# Altium PCB 1010829PA_HVFlyback_GD_Testboard.PcbDoc (part 2 of 2)
Units mm, origin at the board's own origin, x right, y up, seen from the top; angles counter-clockwise.
Board outline 180 x 150 mm, 2 copper layers (Top Layer, Bottom Layer), stack 1.57 mm thick; 196 components, 91 nets, 468 pads, 191 vias.
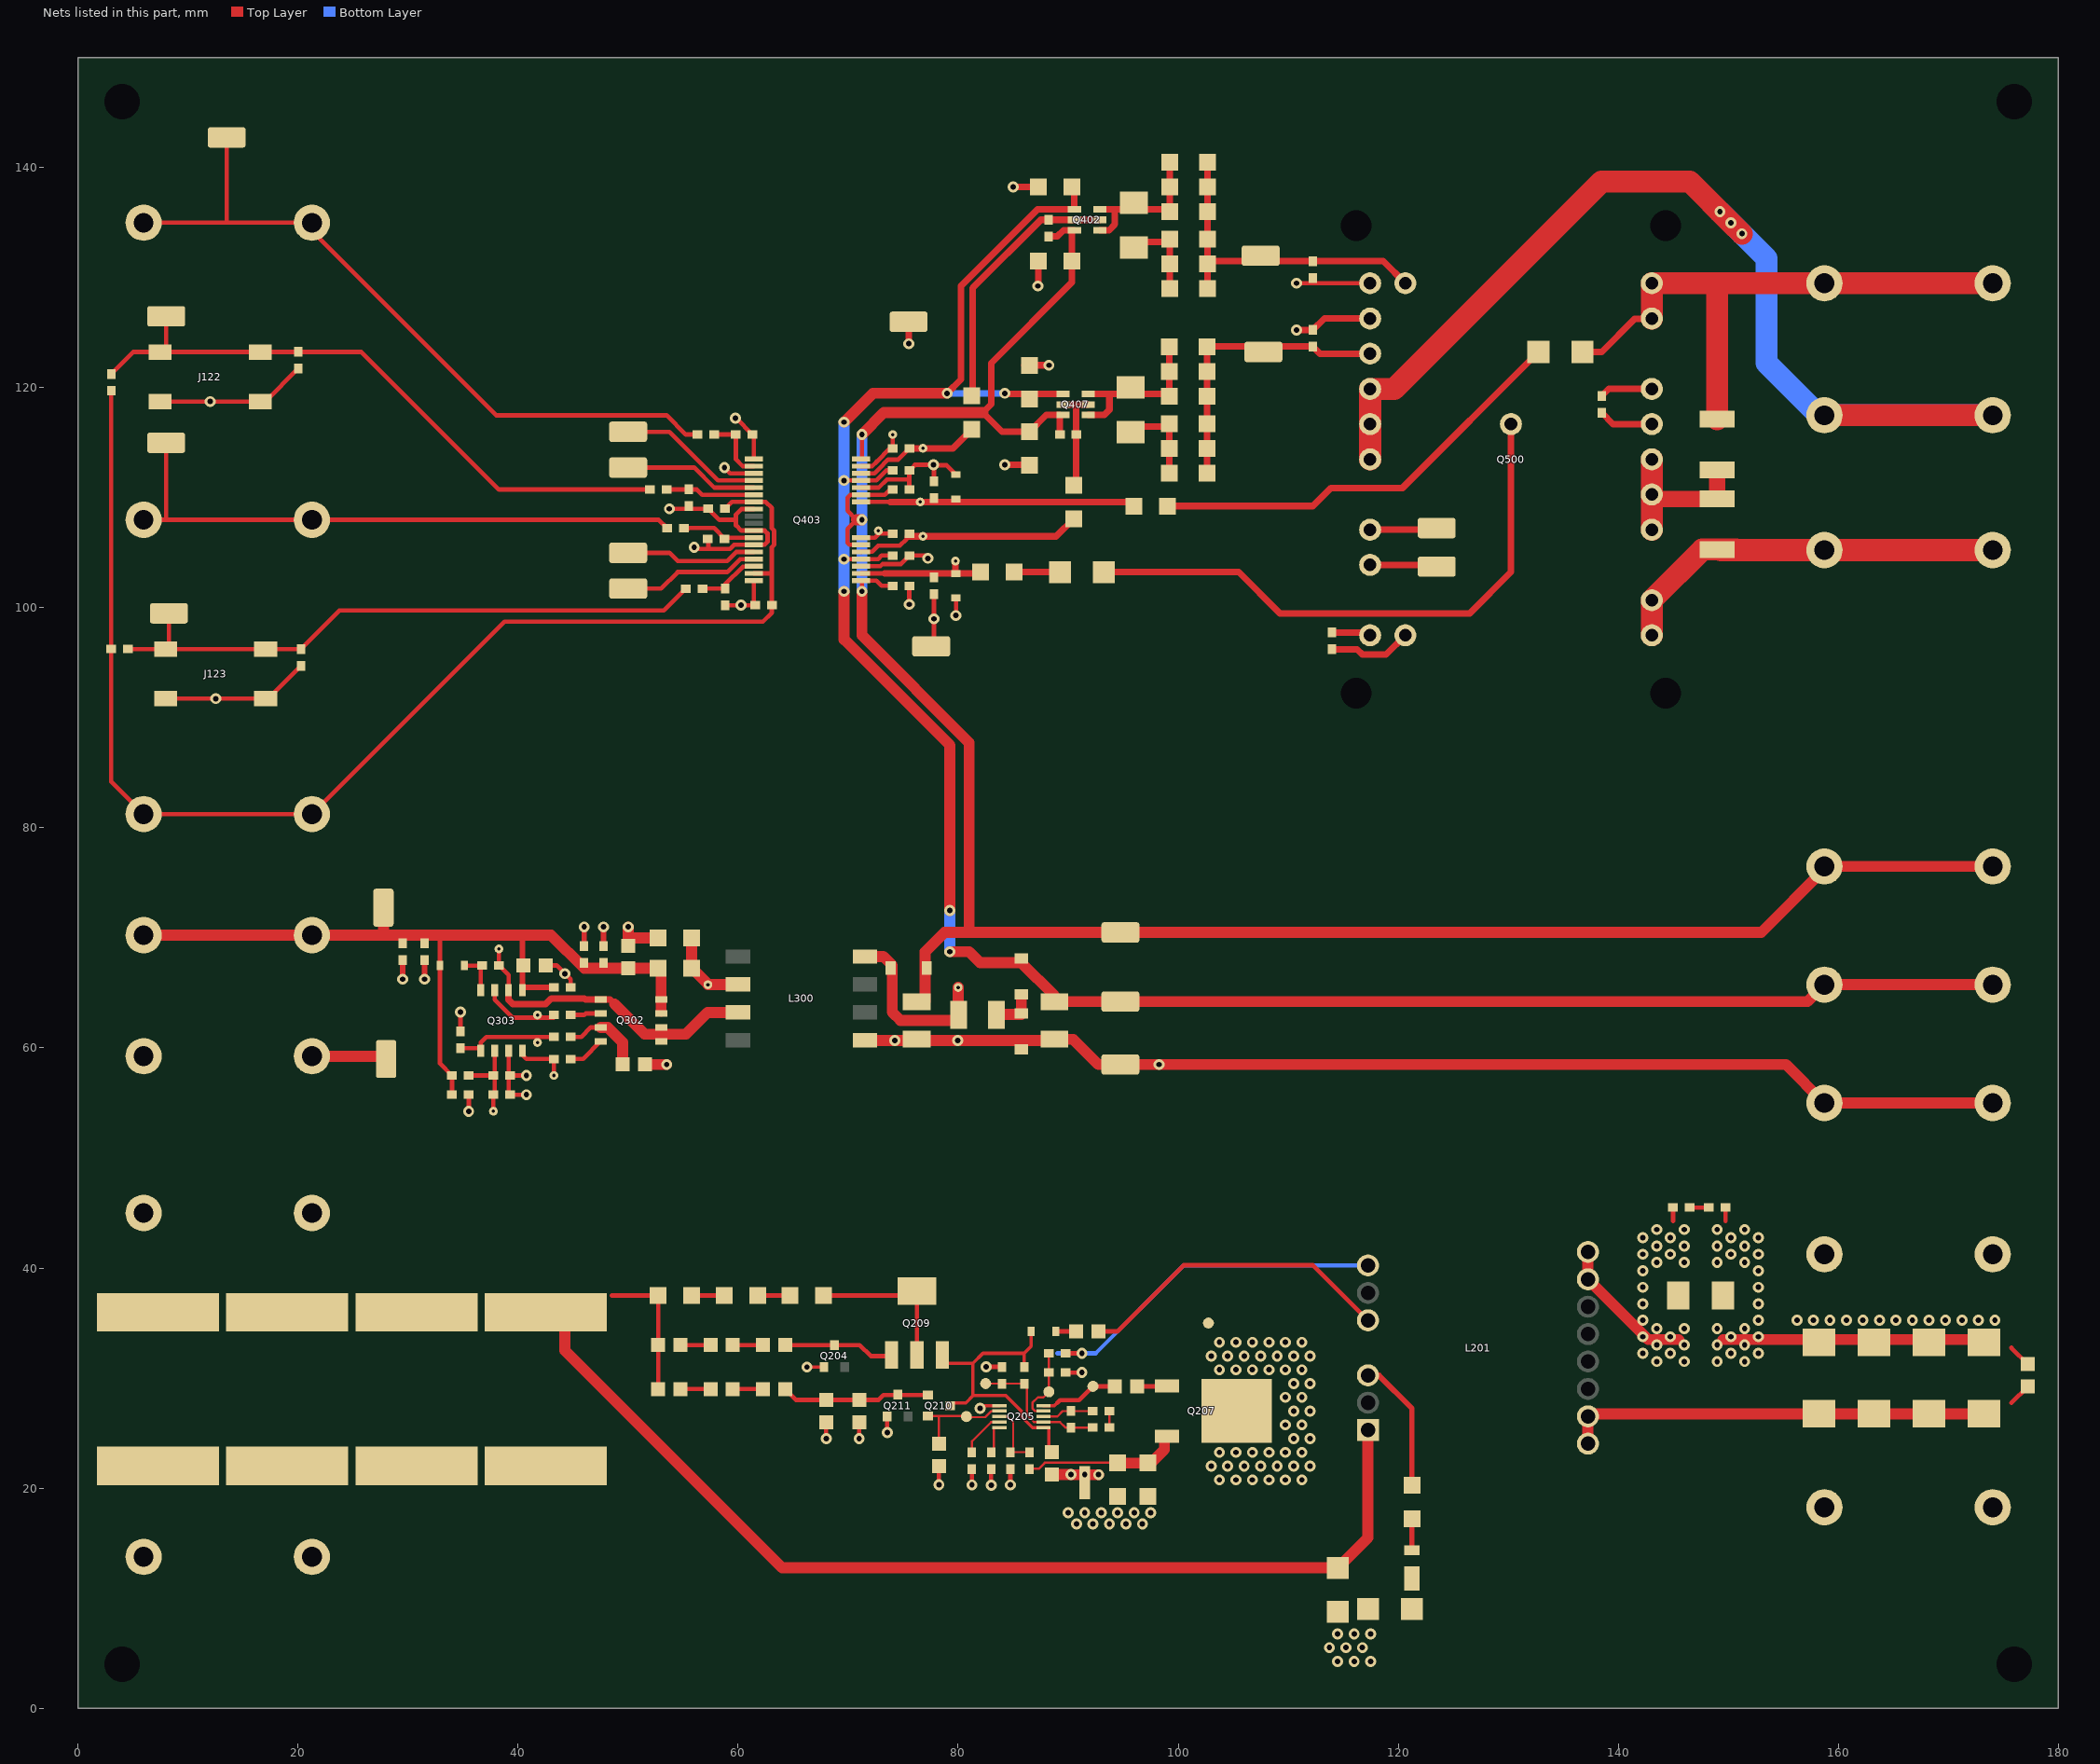
[diagram p2: the nets of this part, all layers, seen from the top]

## Part data (continued)
TP300 TP301 TP302 TP303 TP304 TP305 TP306 TP400 TP401 TP402 TP403 TP404 TP405: library part 13-0524, CaseName=0.8mm, Author=RVI, ComponentLink1Description=Datasheet, LatestRevision Date=10.07.2017, LatestRevision Note=Initial, Part Description="Test point THT - Dia 0.8mm, Hole 0.3mm", Part Number=13-0524, PartValue="TP THT Dia 0.8mm, Hole 0.3mm", Price=0, ROHS=True, Type1=TP, Type2=TH

## Free pads (board coordinates)
  round 0 hole 3.2 unplated: 0(4,4) 0(4,146) 0(176,4) 0(176,146)

## Via types
v1: diameter 1, hole 0.5, Top Layer to Bottom Layer, 191 vias

## Nets (pads, with @x,y where several pads share a name; then routed paths per layer and width w, separated by ;. In a path a pad name is that pad's centre, name@x,y a point inside that pad or via, vN(x,y) a via of type N, cw(c..) or ccw(c..) an arc to the next point about the centre after c; other vN are vias at no path point)
5VP_D: C407.1 C414.1 J104.1 Q403.7 Q403.17 R101.2 R102.2 | length 120.4
  Top Layer w0.4: R101.2@3,119.738 3,96.25 3,84.2 J104.1@5.95,81.25 J104.1@21.25,81.25 38.75,98.75 62.25,98.75 63.062,99.562 C414.1@63.062,100.25 63.062,103.125 ; C407.1@58.812,109 59.437,109.625 Q403.7@61.435,109.625 62.5,109.625 63.062,109.063 63.062,107.222 63.27,107.014 63.27,105.736 63.062,105.528 63.062,103.125 ; Q403.17@61.435,103.125 63.062,103.125
15VP_D: C300.1 C305.1 C310.1 C311.1 C312.1 C313.1 C314.1 C315.1 C316.1 J105.1 J106.1 Q300.2 Q302.7 Q302.8 Q303.5 R301.2 | length 77.5
  Top Layer w0.4: 32.89,70.25 Q300.2@32.89,67.488 32.89,58.598 R301.2@33.988,57.5 C314.1@33.988,55.75
  Top Layer w0.5: Q303.5@40.405,65.5 40.405,70.25 ; Q303.5@40.667,65.5 C316.1@43.238,65.5
  Top Layer w0.6: Q302.7@53,63.135 53,63.5
  Top Layer w1: J106.1@5.5,70.25 20.75,70.25 27.75,70.25 ; J105.1@27.75,72.75 27.75,70.25 ; 53,63.5 Q302.8@53,64.405 53,66.976 C300.1@52.726,67.25 46,67.25 43,70.25 40.405,70.25 32.89,70.25 27.75,70.25
+15VS_BOT: C304.2 C401.1 C403.1 C411.1 C412.1 J126.1 J300.1 Q301.1 Q402.1 Q403.22 Q403.33 Q407.1 | length 205.7
  Top Layer w0.4: v1(69.625,104.425) Q403.22@71.165,104.425 72.725,104.425 73.05,104.75 C411.1@74.038,104.75 ; v1(69.625,111.575) Q403.33@71.165,111.575 72.576,111.575 73.501,112.5 C403.1@74.038,112.5
  Top Layer w0.6: v1(79,119.5) 80.25,120.75 80.25,129.25 87.222,136.222 Q402.1@90.568,136.222 ; v1@84.25,119.434 Q407.1@89.52,119.434 ; C412.1@86.226,119.25 C412.1@86.5,118.976 ; Q402.1@90.568,136.216 Q402.1@90.568,136.222 ; C401.1@90.568,138.003 Q402.1@90.568,136.222
  Top Layer w1: v1(69.625,101.5) 69.625,97.125 79.25,87.5 v1(79.25,72.5) ; v1(69.625,116.875) 72.25,119.5 v1(79,119.5) ; v1(79.25,68.75) 81,68.75 82,67.75 85.75,67.75 88.75,64.75 C304.2@88.75,64.214 J300.1@94.75,64.214 157.214,64.214 J126.1@158.75,65.75 J126.1@174.05,65.75
  Bottom Layer w0.6: v1(79,119.5) v1(84.25,119.5)
  Bottom Layer w1: v1(69.625,101.5) v1(69.625,111.575) v1(69.625,116.875) ; v1(79.25,68.75) v1(79.25,72.5)
-8VS_BOT: C306.1 C404.2 C405.2 C408.2 C415.2 C416.2 C417.2 J128.1 J302.1 Q305.2 Q402.3 Q403.19 Q403.24 Q403.31 Q403.36 Q407.3 | length 215.5
  Top Layer w0.4: Q403.24@71.165,105.725 70.125,105.725 69.93,105.92 69.93,107.18 70.75,108 69.93,108.82 69.93,110.016 70.189,110.275 Q403.31@71.165,110.275 73.313,110.275 C408.2@73.788,110.75 ; v1(71.25,101.5) 71.25,102.39 Q403.19@71.165,102.475 72.575,102.475 73.05,102 C415.2@74.038,102 ; Q403.36@71.25,113.61 v1(71.25,115.75)
  Top Layer w0.6: C404.2@88.218,133.754 89.004,133.754 89.566,134.316 Q402.3@90.568,134.316 ; C416.2@89.238,115.75 89.238,117.512 89.216,117.534 88.01,117.534 C417.2@86.5,116.024 83.976,116.024 82.25,117.75 83,118.5 83,122.25 90.322,129.571 C405.2@90.322,131.5 Q402.3@90.322,134.244
  Top Layer w1: 70.75,108 v1(71.25,108) ; v1(71.25,101.5) 71.25,97.5 81,87.75 81,70.5 ; v1(71.25,115.75) 73.25,117.75 82.25,117.75 ; C306.1@77,64.25 77,68.75 78.75,70.5 81,70.5 ; J128.1@174.05,76.5 J128.1@158.75,76.5 158.75,76.25 153,70.5 J302.1@94.75,70.5 81,70.5
  Bottom Layer w1: v1(71.25,101.5) v1(71.25,108) v1(71.25,115.75)
DC+: C500.1 J109.1 Q400.1 Q500.DC+ | length 54.5
  Top Layer w0.6: Q400.1@136.75,123.25 138.5,123.25 141.5,126.25 Q500.DC+@143,126.25
  Top Layer w2: Q500.DC+@143.05,126.3 Q500.DC+@143.05,129.5 149,129.5 ; C500.1@149,117.15 149,129.5 ; J109.1@174.55,129.5 159.25,129.5 149,129.5
DC-: C501.2 J125.1 Q500.DC- | length 37.5
  Top Layer w2: Q500.DC-@143.05,97.5 Q500.DC-@143.05,100.7 147.65,105.3 C501.2@149,105.3 150.75,105.3 ; C501.2@149.35,105.25 J125.1@158.75,105.25 J125.1@174.05,105.25
DC/2: C500.2 C501.1 Q500.N | length 15.3
  Top Layer w1.5: Q500.N@143.05,109.95 143.1,109.9 C501.1@149,109.9 ; C500.2@149,112.55 C501.1@149,109.9 ; C501.1@149.25,109.9 C501.1@149,109.9
  Top Layer w2: Q500.N@143.05,107.1 143.05,109.95 Q500.N@143.05,110.3 Q500.N@143.05,113.5
GNDP_D: C100.2 C101.2 C302.2 C305.2 C307.2 C308.2 C309.2 C310.2 C311.2 C312.2 C313.2 C314.2 C315.2 C316.2 C402.2 C406.2 C407.2 C410.2 C413.2 C414.2 J107.1 J108.1 J122.1 J122.2 J123.1 J123.2 Q303.3 Q403.1 Q403.3 Q403.8 Q403.11 Q403.13 Q403.18 R304.1 | length 94.2
  Top Layer w0.4: J122.2@7.45,118.75 v1(12,118.75) J122.1@16.55,118.75 17.012,118.75 C100.2@20,121.738 ; J123.2@7.95,91.75 v1(12.5,91.75) J123.1@17.05,91.75 17.262,91.75 C101.2@20.25,94.738 ; C309.2@34.75,61.512 v1(34.75,63.25) ; v1@35.512,54.262 C314.2@35.512,55.75 ; C307.2@39.135,55.877 Q303.3@39.135,59.738 ; C307.2@39.262,55.75 v1(40.75,55.75) ; C308.2@39.262,57.5 v1(40.75,57.5) ; C311.2@42.516,67.5 43.5,67.5 v1(44.25,66.75) 44.762,66.238 C316.2@44.762,65.5 ; v1(53.75,109) C407.2@57.288,109 58.288,108 59.8,108 ; v1(56,105.5) 56.15,105.35 57.288,105.35 ; C410.2@57.288,106.25 57.288,105.35 ; v1(58.75,112.75) 59.275,112.225 Q403.3@61.435,112.225 ; C413.2@58.8,100.238 v1(60.25,100.238) C414.2@61.526,100.238 ; v1@59.5,117.25 59.812,117.25 C402.2@61.312,115.75 ; C414.2@61.435,100.353 Q403.18@61.435,102.475 ; Q403.8@61.435,108.975 60.275,108.975 59.8,108.5 59.8,108 ; Q403.1@61.435,113.525 C402.2@61.435,115.627 ; 57.288,105.35 59.253,105.35 59.628,105.725 Q403.13@61.435,105.725 62.411,105.725 62.67,105.984 62.67,106.766 62.411,107.025 Q403.11@61.435,107.025 60.275,107.025 59.8,107.5 59.8,108
  Top Layer w0.5: v1(29.5,66.25) C305.2@29.5,67.988 ; v1(31.5,66.25) C315.2@31.5,67.988 ; C313.2@46,69.262 v1(46,71) ; C312.2@47.75,69.262 v1(47.75,71)
  Top Layer w1: J108.1@20.75,59.25 J108.1@21.25,59.25 J107.1@28,59.25 ; v1(50,71) 50,70 C302.2@52.726,70 ; R304.1@51.512,58.5 R304.1@51.516,58.5 v1(53.5,58.5)
  other v1: 35.5,54.25 59.75,117.25
GNDP_D_HV: C209.2 C210.2 C211.2 C217.2 C219.2 C220.2 J200.1 L201.6 Q204.1 Q205.6 Q211.1 R211.1 R214.1 R220.1 R221.1 | length 53.8
  Top Layer w0.3: v1(66.25,31) Q204.1@67.8,31 ; v1(82,27.25) 82.25,27.5 Q205.6@83.75,27.5
  Top Layer w0.4: v1@68,24.534 C210.2@68,25.984 ; v1@71,24.534 R220.1@71,25.984 ; v1(73.55,25.05) Q211.1@73.55,26.5 ; v1(78.25,20.3) R221.1@78.25,21.75 ; v1(81.25,20.288) R211.1@81.25,21.738 ; v1(82.55,31.012) R214.1@84,31.012 ; v1@83,20.288 C217.2@83,21.738 ; v1(84.75,20.288) C211.2@84.75,21.738 ; C219.2@89.75,30.5 C219.2@89.762,30.5 v1(91.25,30.5) ; C220.2@89.762,32.25 v1(91.25,32.25)
  Top Layer w1: C209.2@88.506,21.24 v1(90.25,21.24) 90.27,21.22 v1(92.77,21.22)
  Bottom Layer w0.4: 89,32.25 v1(91.25,32.25) 92.5,32.25 100.48,40.23 L201.6@117.25,40.23
  other v1: 83,20.25 91.5,21.24 68,24.5 71,24.5
GNDP_P_HV: C205.2 C206.2 C207.2 C208.2 J103.1 J200.2 R207.1 R208.1
  other v1: 90.75,16.75 92.25,16.75 93.75,16.75 95.25,16.75 96.75,16.75 90,17.75 91.5,17.75 93,17.75 94.5,17.75 96,17.75 97.5,17.75
GNDS_BOT: C304.1 C306.2 C400.2 C401.2 C403.2 C405.1 C408.1 C409.2 C411.2 C412.2 C415.1 C417.1 J127.1 J301.1 J402.1 J403.1 L300.5 Q304.2 Q401.2 Q403.21 Q403.32 Q406.2 Q500.E1 Q500.E2 R500.2 R501.1 | length 155.7
  Top Layer w0.4: Q403.21@71.165,103.775 72.924,103.775 73.118,103.969 74.781,103.969 C411.2@75.562,104.75 77,104.75 v1(77.25,104.5) ; Q403.32@71.165,110.925 72.775,110.925 73.525,111.675 75.562,111.675 ; C415.1@75.5,101.938 C415.1@75.562,102 v1(75.562,100.312) ; C408.1@75.562,110.75 75.562,111.675 ; v1(77.75,113) 76.062,113 C403.2@75.562,112.5 75.562,111.675 ; J402.1@77.8,96.75 v1(77.8,99) C409.2@77.8,101.238 ; C400.2@77.8,111.512 77.8,112.95 78.96,112.95 Q401.2@79.8,112.11 ; v1(79.8,99.3) Q406.2@79.8,100.89 ; v1(110.75,129.5) Q500.E1@117.45,129.5
  Top Layer w0.6: v1(75.5,124) J403.1@75.5,125.75 ; v1(84.25,113) 86.476,113 C417.1@86.5,112.976 ; v1(85,138.25) C401.2@87.274,138.25 ; C412.2@86.024,122.048 v1(88.25,122.048) ; v1@87.274,129.274 C405.1@87.274,131.5 ; v1(110.75,125.25) 112.238,125.25 R501.1@112.25,125.262 113.288,126.3 Q500.E2@117.45,126.3
  Top Layer w1: C304.1@88.75,60.785 90.465,60.785 92.75,58.5 93,58.5 ; C304.1@88.75,61.035 88.405,60.69 v1(79.962,60.69) v1(74.25,60.69) L300.5@71.64,60.69 ; J301.1@94.5,58.5 94.75,58.75 J301.1@94.75,58.5 v1(98.25,58.5) 155.25,58.5 J127.1@158.75,55 J127.1@174.05,55 ; L300.5@71.64,60.69 71.58,60.75 L300.5@71.52,60.69 L300.5@71.64,60.69
  other v1: 87.25,129.25
GNDS_P_HV: C201.2 C202.2 C203.2 C204.2 J102.1 L201.13 L201.14 R100.1 | length 40.7
  Top Layer w0.4: 175.75,27.734 R100.1@177.25,29.234
  Top Layer w1: L201.14@137.25,24.035 L201.13@137.25,26.525 137.475,26.75 C201.2@158.25,26.75 C204.2@173.25,26.75
NetC100_1: C100.1 J118.1 J122.3 J122.4 R101.1 R409.1 | length 57.7
  Top Layer w0.4: R101.1@3,121.262 4.988,123.25 J122.4@7.45,123.25 J122.3@16.55,123.25 25.75,123.25 38.25,110.75 R409.1@51.988,110.75 ; J122.4@8,123.8 J118.1@8,126.5
NetC101_1: C101.1 J119.1 J123.3 J123.4 R102.1 R415.1 | length 56
  Top Layer w0.4: R102.1@4.5,96.25 J123.3@17.05,96.25 C101.1@20.25,96.25 ; J123.4@8.25,96.55 J119.1@8.25,99.5 ; C101.1@20.25,96.262 23.744,99.756 53.244,99.756 R415.1@55.238,101.75 R415.1@55.25,101.75
NetC200_1: C200.1 L201.7 L201.8 Q206.2 | length 14.2
  Top Layer w0.4: 144.988,44.262 C200.1@144.988,45.5
  Top Layer w1: L201.7@137.25,41.465 L201.8@137.25,38.975 142.725,33.5 145.5,33.5
  other v1: 143.5,31.5 146,31.5 142.25,32.25 144.75,32.25 143.5,33 146,33 142.25,33.75 144.75,33.75 143.5,34.5 146,34.5 142.25,35.25 142.25,36.75 142.25,38.25 142.25,39.75 143.5,40.5 146,40.5 142.25,41.25 144.75,41.25 143.5,42 146,42 142.25,42.75 144.75,42.75 143.5,43.5 146,43.5
NetC200_2: C200.2 R200.1 | length 1.7
  Top Layer w0.4: C200.2@146.512,45.5 R200.1@148.238,45.5
NetC201_1: C201.1 C202.1 C203.1 C204.1 J101.1 Q206.1 R100.2 R200.2 | length 26.8
  Top Layer w0.4: 149.762,44.262 R200.2@149.762,45.5 ; 175.75,32.75 177.234,31.266 R100.2@177.25,31.266
  Top Layer w1: 149.532,33.5 C204.1@173,33.5
  other v1: 149,31.5 151.5,31.5 150.25,32.25 152.75,32.25 149,33 151.5,33 150.25,33.75 152.75,33.75 149,34.5 151.5,34.5 152.75,35.25 156.25,35.25 157.75,35.25 159.25,35.25 160.75,35.25 162.25,35.25 163.75,35.25 165.25,35.25 166.75,35.25 168.25,35.25 169.75,35.25 171.25,35.25 172.75,35.25 174.25,35.25 152.75,36.75 152.75,38.25 152.75,39.75 149,40.5 151.5,40.5 150.25,41.25 152.75,41.25 149,42 151.5,42 150.25,42.75 152.75,42.75 149,43.5 151.5,43.5
NetC205_1: C205.1 C206.1 C207.1 C208.1 J100.1 L201.1 Q201.2 R202.2 R203.2 R205.2 | length 110.3
  Top Layer w0.4: 48.5,37.5 R205.2@52.726,37.5 ; R202.2@52.734,29 R203.2@52.734,33 R205.2@52.734,37.492
  Top Layer w1: C208.1@46.5,35.75 44.25,35.75 44.25,32.5 64,12.75 Q201.2@114.5,12.75 117.25,15.5 L201.1@117.25,25.27
NetC209_1: C209.1 Q205.1 Q208.1 Q209.3 Q210.3 R212.2 | length 27.2
  Top Layer w0.3: Q209.3@78.55,31.35 81.35,31.35 ; Q210.3@79.45,27.75 80.7,27.75 81.35,28.4 ; R212.2@86,31.012 86,32.25 ; Q208.1@86.64,34.25 86.64,32.89 86,32.25 ; C209.1@88.5,23.25 88.25,23.5 88.25,25.5 Q205.1@87.75,25.5 86.75,25.5 85.75,26.5 85.75,27 84.35,28.4 81.35,28.4 ; 81.35,28.4 81.35,31.35 ; 81.35,31.35 82.25,32.25 86,32.25
NetC210_1: C210.1 Q210.1 Q211.3 R215.1 R220.2 | length 13.6
  Top Layer w0.4: R215.1@64.266,29 65.25,28.016 C210.1@68,28.016 R220.2@71,28.016 72.766,28.016 73.2,28.45 Q210.1@77.25,28.45
NetC211_1: C211.1 Q205.8 R204.1 | length 6
  Top Layer w0.2: Q205.8@83.75,26.5 84.5,26.5 85,26 85,23.512 C211.1@84.75,23.262 ; C211.1@85,23.012 85,23.262 R204.1@86.5,23.262
NetC217_1: C217.1 Q205.10 | length 2.5
  Top Layer w0.2: C217.1@83.25,23.012 Q205.10@83.25,25.5
NetC218_1: C218.1 R213.2 | length 1.5
  Top Layer w0.2: C218.1@93.762,25.5 R213.2@93.762,27
NetC218_2: C218.2 C222.2 Q205.2 R212.1 R214.2 TP204.1 | length 12.9
  Top Layer w0.2: TP204.1@82.5,29.5 85.988,29.5 R212.1@86,29.488 86.25,29.238 86.25,26.636 86.886,26 Q205.2@87.75,26 89.25,26 89.75,25.5 C218.2@92.238,25.5
NetC219_1: C219.1 C220.1 Q205.4 TP202.1 | length 7
  Top Layer w0.2: Q205.4@87.75,27 87,27 86.75,27.25 86.75,27.75 87.25,28.25 87.75,28.25 88.238,28.738 C219.1@88.238,30.5 C220.1@88.238,32.25
NetC222_1: C222.1 Q205.3 R213.1 | length 4.7
  Top Layer w0.2: Q205.3@87.75,26.5 89,26.5 89.5,27 R213.1@92.238,27
NetC300_2: C300.2 C302.1 L300.2 TP300.1 | length 7.6
  Top Layer w1: C302.1@55.774,70 C300.2@55.774,67.25 57.254,65.77 L300.2@59.98,65.77
NetC301_1: C301.1 Q300.1 Q303.8 | length 3.7
  Top Layer w0.4: Q300.1@35.11,67.488 36.463,67.488 36.595,67.357 Q303.8@36.595,65.238
NetC303_1: C303.1 L300.8 Q305.1 TP301.1 | length 15.4
  Top Layer w1: L300.8@71.52,68.31 73.19,68.31 74,67.5 74,63.25 74.75,62.5 C303.1@79.535,62.5 ; C303.1@80,63.036 TP301.1@80,65.5
NetC303_2: C303.2 Q301.2 Q304.1 | length 3.9
  Top Layer w1: C303.2@83.514,63.05 85.75,63.05 Q301.2@85.75,64.7
NetC307_1: C307.1 C308.1 Q303.2 R301.1 TP305.1 | length 7.6
  Top Layer w0.4: R301.1@35.512,57.5 C308.1@37.738,57.5 ; TP305.1@37.75,54.25 C307.1@37.75,55.738 ; C307.1@37.865,55.877 Q303.2@37.865,59.738
NetC309_1: C309.1 Q303.1 R303.2 TP306.1 | length 9.4
  Top Layer w0.4: C309.1@34.75,59.988 Q303.1@36.541,59.988 ; Q303.1@36.595,59.738 36.595,60.5 37.095,61 41.75,61 R303.2@43.238,61
NetC400_1: C400.1 Q401.1 Q403.30 R400.1 TP400.1 | length 24.8
  Top Layer w0.4: Q403.30@71.165,109.625 73.8,109.625
  Top Layer w0.6: 73.8,109.625 TP400.1@76.55,109.625 R400.1@96,109.625
NetC402_1: C402.1 Q403.2 R404.2 | length 6.1
  Top Layer w0.4: R404.2@57.812,115.75 C402.1@59.788,115.75 59.788,113.512 60.425,112.875 Q403.2@61.435,112.875
NetC404_1: C404.1 Q402.2 Q402.5 R405.1 | length 23.8
  Top Layer w0.6: R405.1@81.324,119.348 81.324,129.074 87.516,135.266 Q402.2@90.568,135.266 Q402.5@92.868,135.266
NetC406_1: C406.1 Q403.6 R409.2 | length 8.1
  Top Layer w0.4: R409.2@53.512,110.75 56.25,110.75 56.725,110.275 Q403.6@61.435,110.275
NetC409_1: C409.1 Q403.20 Q406.1 R411.1 TP403.1 | length 11.8
  Top Layer w0.4: Q403.20@71.165,103.125 73.3,103.125
  Top Layer w0.6: 73.3,103.119 76.794,103.119 76.8,103.125 81.651,103.125 R411.1@81.776,103.25 ; Q406.1@79.75,103.16 TP403.1@79.75,104.25
NetC410_1: C410.1 Q403.12 R412.2 | length 6.4
  Top Layer w0.4: R412.2@55.4,107.15 55.5,107.25 57.812,107.25 C410.1@58.812,106.25 ; C410.1@58.937,106.375 Q403.12@61.435,106.375
NetC413_1: C413.1 Q403.16 R415.2 | length 5.7
  Top Layer w0.4: R415.2@56.762,101.75 58.562,101.75 C413.1@58.687,101.875 ; C413.1@58.8,101.762 58.8,102.116 60.434,103.75 61.41,103.75 Q403.16@61.435,103.775
NetC416_1: C416.1 Q407.2 Q407.5 R418.1 | length 9.4
  Top Layer w0.6: Q407.2@89.52,118.484 Q407.5@91.82,118.484 ; 90.72,118.455 90.72,111.453 R418.1@90.762,111.411
NetJ110_1: J110.1 J111.1 R404.1 | length 66.6
  Top Layer w0.4: J111.1@5.45,135 J111.1@5.95,135 13.5,135 ; J110.1@13.5,142.75 13.5,135 ; R404.1@56.288,115.75 55.25,115.75 53.5,117.5 38,117.5 20.5,135 13.5,135
NetJ112_1: J112.1 Q403.4 | length 13.3
  Top Layer w0.4: J112.1@50,116 53.75,116 58.175,111.575 Q403.4@61.435,111.575
NetJ113_1: J113.1 Q500.AC | length 103.8
  Top Layer w2: Q500.AC@117.45,113.5 Q500.AC@117.45,116.7 Q500.AC@117.45,119.9 119.65,119.9 138.5,138.75 146.5,138.75 v1(150.25,135) v1(151.25,134) ; J113.1@159.25,117.5 J113.1@174.05,117.5 J113.1@174.55,117.5
  Bottom Layer w2: v1(149.25,136) v1(151.25,134) 153.5,131.75 153.5,122.25 158.25,117.5 J113.1@158.75,117.5 J113.1@174.05,117.5 J113.1@174.55,117.5
NetJ114_1: J114.1 J115.1 R412.1 | length 55.6
  Top Layer w0.4: J115.1@5.45,108 20.75,108 52.788,108 R412.1@53.538,107.25 ; 8,108.05 J114.1@8,115.25
NetJ116_1: J116.1 Q403.5 | length 12.2
  Top Layer w0.4: J116.1@50,112.75 56,112.75 57.825,110.925 Q403.5@61.435,110.925
NetJ117_1: J117.1 Q500.+T | length 5.9
  Top Layer w0.6: Q500.+T@117.45,103.9 J117.1@123.35,103.9
NetJ120_1: J120.1 Q500.-T | length 5.9
  Top Layer w0.6: Q500.-T@117.45,107.1 J120.1@123.35,107.1
NetJ121_1: J121.1 Q403.14 | length 12.1
  Top Layer w0.4: J121.1@50,105 53.75,105 54.5,104.25 59,104.25 59.5,104.75 59.502,104.75 59.827,105.075 Q403.14@61.435,105.075
NetJ124_1: J124.1 Q403.15 | length 12.5
  Top Layer w0.4: J124.1@50,101.75 53,101.75 54.5,103.25 59,103.25 60.175,104.425 Q403.15@61.435,104.425
NetJ400_1: J400.1 Q500.G1 R401.1 R402.1 R403.1 R406.1 R407.1 R410.1 R500.1 | length 30.1
  Top Layer w0.6: R410.1@102.682,129.016 R407.1@102.682,131.266 R406.1@102.682,133.516 R403.1@102.682,136.016 R402.1@102.682,138.266 R401.1@102.682,140.516 ; R407.1@102.929,131.512 R500.1@112.25,131.512 118.638,131.512 Q500.G1@120.65,129.5
NetJ401_1: J401.1 Q500.G2 R413.1 R414.1 R416.1 R419.1 R420.1 R421.1 R501.2 | length 27
  Top Layer w0.6: R416.1@102.385,123.75 112.238,123.75 R501.2@112.25,123.738 112.888,123.1 Q500.G2@117.45,123.1 ; R416.1@102.635,123.75 R416.1@102.635,123.734 R414.1@102.635,121.484 R413.1@102.635,119.234 R419.1@102.635,112.234 R419.1@102.735,112.334
NetL201_3: L201.3 Q207.2 R201.2 TP200.1 | length 12.2
  Top Layer w0.5: L201.3@117.25,30.25 118.25,30.25 121.25,27.25 R201.2@121.25,20.274
  other v1: 103.75,20.75 105.25,20.75 106.75,20.75 108.25,20.75 109.75,20.75 111.25,20.75 103,22 104.5,22 106,22 107.5,22 109,22 110.5,22 112,22 103.75,23.25 105.25,23.25 106.75,23.25 108.25,23.25 109.75,23.25 111.25,23.25 110.5,24.5 112,24.5 109.75,25.75 111.25,25.75 110.5,27 112,27 109.75,28.25 111.25,28.25 110.5,29.5 112,29.5 103.75,30.75 105.25,30.75 106.75,30.75 108.25,30.75 109.75,30.75 111.25,30.75 103,32 104.5,32 106,32 107.5,32 109,32 110.5,32 112,32 103.75,33.25 105.25,33.25 106.75,33.25 108.25,33.25 109.75,33.25 111.25,33.25
NetL201_4: L201.4 R218.2 | length 29
  Top Layer w0.4: R218.2@92.766,34.25 94.5,34.25 100.5,40.25 112.25,40.25 L201.4@117.25,35.25
NetQ201_1: Q201.1 Q203.2
  other v1: 114.5,4.25 116,4.25 117.5,4.25 113.75,5.5 115.25,5.5 116.75,5.5 114.5,6.75 116,6.75 117.5,6.75
NetQ202_1: Q202.1 Q203.1
NetQ202_2: Q202.2 R201.1 | length 2.6
  Top Layer w0.5: Q202.2@121.25,14.35 R201.1@121.25,16.976
NetQ204_3: Q204.3 Q209.1 R216.1 | length 9.9
  Top Layer w0.4: R216.1@64.266,33 Q204.3@68.75,33 71.05,33 72.05,32 Q209.1@73.75,32
NetQ205_5: Q205.5 R219.1 TP201.1 | length 7.2
  Top Layer w0.3: Q205.5@87.75,27.5 88.75,27.5 89,27.75
  Top Layer w0.4: 89,27.75 89.25,28 91,28 TP201.1@92.25,29.25 R219.1@94.234,29.25
NetQ205_7: Q205.7 Q210.2 R221.2 TP203.1 | length 9.3
  Top Layer w0.2: Q210.2@77.25,26.55 79,26.55 81,26.55 81.1,26.45 82.45,26.45 83,27 Q205.7@83.75,27 ; R221.2@78.25,24.016 78.25,26.55
NetQ205_9: Q205.9 R211.2 | length 4.2
  Top Layer w0.2: R211.2@81.25,23.262 81.25,24.25 83,26 Q205.9@83.75,26
NetQ207_1: Q207.1 R219.2 | length 2.7
  Top Layer w0.4: R219.2@96.266,29.25 Q207.1@98.97,29.25
NetQ207_3: Q207.3 R204.2 R207.2 R208.2 | length 14.3
  Top Layer w0.2: R204.2@86.5,21.75 87.322,21.75 87.872,22.3 R207.2@94.5,22.3
  Top Layer w1: R207.2@94.5,22.274 R208.2@97.25,22.274 ; R208.2@97.226,22.274 97.524,22.274 98.75,23.5 Q207.3@98.75,24.75
NetQ208_2: Q208.2 R218.1 | length 1.9
  Top Layer w0.4: Q208.2@88.86,34.25 R218.1@90.734,34.25
NetQ209_2: Q209.2 Q209.4 R217.1 | length 13.9
  Top Layer w0.4: R217.1@67.774,37.5 Q209.4@75.9,37.5 ; Q209.2@76.25,31.35 Q209.4@76.25,37.15
NetQ302_2: Q302.2 R300.2 | length 2.8
  Top Layer w0.4: R300.2@44.762,63 46,63 46.135,63.135 Q302.2@47.5,63.135
NetQ302_3: Q302.3 R303.1 R304.2 | length 7.4
  Top Layer w0.4: R303.1@44.762,61 45.75,61 46.615,61.865 Q302.3@47.5,61.865
  Top Layer w1: Q302.3@47.5,61.865 48.135,61.865 49.488,60.512 R304.2@49.488,58.75
NetQ302_4: Q302.4 R302.2 | length 3.4
  Top Layer w0.4: R302.2@44.762,59 45.905,59 Q302.4@47.5,60.595
NetQ303_4: Q303.4 R302.1 TP304.1 | length 4.9
  Top Layer w0.4: Q303.4@40.405,59.738 40.405,59.345 40.75,59 R302.1@43.238,59 ; TP304.1@43.25,57.5 R302.1@43.25,58.988
NetQ303_7: Q303.7 R300.1 TP302.1 | length 6.9
  Top Layer w0.4: Q303.7@37.865,65.238 37.865,64.385 39.5,62.75 R300.1@43.238,62.75
NetQ400_2: Q400.2 R400.2 | length 39.7
  Top Layer w0.6: R400.2@99.024,109.25 112.25,109.25 113.9,110.9 120.4,110.9 Q400.2@132.75,123.25 Q400.2@132.875,123.375
NetQ402_4: Q402.4 Q402.6 Q404.1 R401.2 R402.2 R403.2 | length 13.9
  Top Layer w0.6: Q402.4@92.868,134.316 93.718,134.316 94.25,134.848 94.25,136.216 ; Q402.6@92.868,136.216 94.25,136.216 ; R401.2@99.253,140.516 R402.2@99.253,138.266 R403.2@99.253,136.016 99.054,136.216 94.25,136.216
NetQ403_23: Q403.23 R417.1 R418.2 TP404.1 | length 20.7
  Top Layer w0.4: Q403.23@71.165,105.075 71.165,105.1 72.166,105.1 72.716,105.65 74.7,105.65 75.312,106.262 75.312,106.5 R417.1@75.562,106.5
  Top Layer w0.6: R417.1@75.562,106.5 88.899,106.5 R418.2@90.5,108.101
NetQ403_25: Q403.25 R417.2 TP405.1 | length 3
  Top Layer w0.4: Q403.25@71.165,106.375 72.425,106.375 72.8,106.75 R417.2@74.038,106.75
NetQ403_34: Q403.34 R405.2 R408.2 TP401.1 | length 11.7
  Top Layer w0.4: Q403.34@71.165,112.225 72.378,112.225 73.194,113.041 73.194,113.047 73.622,113.475 74.537,113.475 R408.2@75.562,114.5
  Top Layer w0.6: R408.2@75.562,114.5 TP401.1@76.8,114.5 79.524,114.5 R405.2@81.25,116.226
NetQ403_35: Q403.35 R408.1 TP402.1 | length 4.8
  Top Layer w0.4: Q403.35@71.165,112.875 72.175,112.875 72.594,113.294 72.594,113.295 73.798,114.5 R408.1@74.038,114.5 TP402.1@74.038,115.738
NetQ404_2: Q404.2 R406.2 R407.2 R410.2 | length 7
  Top Layer w0.6: Q404.2@96.75,133.266 R406.2@99.253,133.266 ; R410.2@99.253,129.016 R407.2@99.253,131.266 R406.2@99.253,133.516
NetQ405_1: Q405.1 Q500.C | length 53.6
  Top Layer w0.6: Q405.1@93.25,103.25 105.5,103.25 109.25,99.5 126.5,99.5 130.25,103.25 Q500.C@130.25,116.7
NetQ405_2: Q405.2 R411.2 | length 4.2
  Top Layer w0.6: R411.2@85.074,103.25 Q405.2@89.25,103.25
NetQ407_4: Q407.4 Q407.6 Q408.1 R413.2 R414.2 R416.2 | length 15.5
  Top Layer w0.6: Q407.4@91.82,117.534 93.284,117.534 93.75,118 93.75,119.434 ; Q407.6@91.82,119.434 93.75,119.434 ; R416.2@99.206,123.734 R414.2@99.206,121.484 R413.2@99.206,119.234 99.006,119.434 93.75,119.434
NetQ408_2: Q408.2 R419.2 R420.2 R421.2 | length 8.9
  Top Layer w0.6: Q408.2@94.921,116.484 98.698,116.484 98.948,116.734 R421.2@99.206,116.734 R420.2@99.206,114.484 R419.2@99.206,112.234
NetQ500_E3: Q500.E3 R502.2 | length 5
  Top Layer w0.6: R502.2@138.5,117.738 139.538,116.7 Q500.E3@143.05,116.7
NetQ500_E4: Q500.E4 R503.2 | length 7.6
  Top Layer w0.6: R503.2@114,96.238 116.262,96.238 116.75,95.75 118.9,95.75 Q500.E4@120.65,97.5
NetQ500_G3: Q500.G3 R502.1 | length 4.8
  Top Layer w0.6: R502.1@138.5,119.262 139.138,119.9 Q500.G3@143.05,119.9
NetQ500_G4: Q500.G4 R503.1 | length 3.2
  Top Layer w0.6: R503.1@114,97.762 Q500.G4@117.188,97.762
NetR202_1: R202.1 R206.2 | length 2.7
  Top Layer w0.4: R202.1@54.766,29 R206.2@57.484,29
NetR203_1: R203.1 R209.2 | length 2.7
  Top Layer w0.4: R203.1@54.766,33 R209.2@57.484,33
NetR205_1: R205.1 R210.2 | length 3
  Top Layer w0.4: R205.1@55.774,37.5 R210.2@58.726,37.5
NetR206_1: R206.1 R215.2 | length 2.7
  Top Layer w0.4: R206.1@59.516,29 R215.2@62.234,29
NetR209_1: R209.1 R216.2 | length 2.7
  Top Layer w0.4: R209.1@59.516,33 R216.2@62.234,33
NetR210_1: R210.1 R217.2 | length 3
  Top Layer w0.4: R210.1@61.774,37.5 R217.2@64.726,37.5
PWM_GD_TRAFO: C301.2 L300.3 Q302.1 Q302.5 Q302.6 Q303.6 TP303.1 | length 28.4
  Top Layer w0.4: C301.2@38.25,67.512 TP303.1@38.25,69 ; C301.2@38.262,67.5 39.135,66.627 Q303.6@39.135,65.238
  Top Layer w0.6: Q303.6@39.135,65.238 39.135,64.365 39.5,64 42.5,64 43,64.5 46,64.5 46.095,64.405 Q302.1@47.5,64.405 48.345,64.405 48.75,64
  Top Layer w1: 48.75,64 51.5,61.25 55.25,61.25 57.23,63.23 L300.3@59.98,63.23
pads on no net: L201.2 L201.5 L201.9 L201.10 L201.11 L201.12 L300.1 L300.4 L300.6 L300.7 Q204.2 Q211.2 Q403.9 Q403.10 Q500.0

## Polygon pours and split planes (outlines as drawn)
NetQ202_1 on Top Layer "Q202_1 Top" (solid, pour order 86): 120,12.5 120.5,13 125.25,13 125.75,12.5 125.75,2.5 125.25,2 120.5,2 120,2.5
NetL201_3 on Top Layer "L201_3 Top" (solid, pour order 72): 117.75,29 118.5,29.75 118.5,31.25 112.25,37.5 101.75,37.5 99.75,35.5 99.75,18.25 101.75,16.25 114,16.25 115.5,17.75 115.5,27.75 116.75,29
NetQ201_1 on Top Layer "Q201_1 Top" (solid, pour order 74): 112.75,10 113.25,10.5 118,10.5 118.5,10 118.5,2.5 118,2 113.25,2 112.75,2.5
GNDP_P_HV on Top Layer "GNDP_P Top" (solid, pour order 70): 97.983,20.25 98.5,19.733 98.5,16.517 97.983,16 89.75,16 89.233,16.517 89.233,20 89.483,20.25
NetC201_1 on Top Layer "Vout Top" (solid, pour order 58): 148,31.25 148,43.5 149,44.5 175.75,44.5 177.75,42.5 177.75,33.75 174.5,30.5 148.75,30.5
NetC200_1 on Top Layer "Vout Top" (solid, pour order 56): 138.75,30.5 136,33.25 136,43 137.5,44.5 146,44.5 147,43.5 147,31.25 146.25,30.5
GNDS_P_HV on Top Layer "GNDS_P Top" (solid, pour order 54): 136,26.75 136,16.75 138.5,14.25 176,14.25 177.75,16 177.75,26.25 174.5,29.5 138.75,29.5
NetC205_1 on Top Layer "Vin Top" (solid, pour order 52): 3.75,30.25 1,33 1,47 2.5,48.5 44.75,48.5 49.5,43.75 49.5,33.75 46,30.25
GNDP_P_HV on Top Layer "GNDP_P Top" (solid, pour order 50): 3.5,27.5 44.5,27.5 49.5,22.5 49.5,14.5 45,10 2.5,10 1,11.5 1,25
NetL201_3 on Bottom Layer "L201_3 Bot" (solid, pour order 96): 99.75,35.5 101.75,37.5 112.25,37.5 118.75,31 118.75,14.25 118.25,13.75 102.75,13.75 101,15.5 101,22.25 102,23.25 102,30.75 99.75,33
GNDS_BOT on Bottom Layer "GNDS Bot" (solid, pour order 94): 73,59.5 73,127.75 85,139.75 104.5,139.75 112.25,132 112.25,59.25 110.5,57.5 75,57.5
GNDP_D on Bottom Layer "GNDP_D" (solid, pour order 92): 52.5,71.75 60.75,80 60.75,118.5 58.5,120.75 4.75,120.75 2.5,118.5 2.5,71.75 32.25,71.75
GNDP_D on Bottom Layer "GNDP_D" (solid, pour order 90): 19.25,53.25 41,53.25 45.5,57.75 45.5,66.6 44.6,67.5 33.5,67.5
GNDP_D on Bottom Layer "GNDP_D" (solid, pour order 88): 54.25,58 53.75,57.5 46,57.5 45.75,57.75 45.75,66.75 44.75,67.75 34.25,67.75 19.75,53.25 6.5,53.25 2.5,57.25 2.5,63.25 2.5,71.75 4.25,73.5 5.25,73.5 54.25,73.5
GNDP_D_HV on Bottom Layer "GNDP_D Bot" (solid, pour order 82): 94.25,19.5 94.75,20 94.75,32.5 94.25,33 65.75,33 65.25,32.5 65.25,20 65.75,19.5
GNDP_D on Bottom Layer "GNDP_D Bot" (solid, pour order 80): 100.25,19.5 100.75,20
NetQ201_1 on Bottom Layer "Q201_1 Bot" (solid, pour order 78): 121.75,2.5 121.25,2 110,2 109.5,2.5 109.5,7 110,7.5 121.25,7.5 121.75,7
GNDP_P_HV on Bottom Layer "GNDP_P Bot" (solid, pour order 68): 1,25 3.75,27.75 49.75,27.75 58.25,19.25 98,19.25 98.5,18.75 98.5,10.5 98,10 2.5,10 1,11.5
GNDS_P_HV on Bottom Layer "GNDS_P Bot" (solid, pour order 66): 136,16.75 138.5,14.25 176,14.25 177.75,16 177.75,26.25 174.5,29.5 138.75,29.5 136,26.75
GNDS_P_HV on Bottom Layer "GNDS_P Bot" (solid, pour order 64): 161,20.75
NetC200_1 on Bottom Layer "Vout Bot" (solid, pour order 62): 146.25,30.5 147,31.25 147,43.5 146,44.5 137.5,44.5 136,43 136,33.25 136.5,32.75 138.75,30.5
NetC201_1 on Bottom Layer "Vout Bot" (solid, pour order 60): 148,31.25 148.75,30.5 174.5,30.5 177.75,33.75 177.75,42.5 175.75,44.5 149,44.5 148,43.5

## Keep-outs
Keep-Out Layer:
  the board outline again, w0.254

## Other copper
Top Layer:
  text "W" at 50.5,132.75 h10
  text "e" at 39.5,132.25 h10
  text ".GTL" at 250.811,103.695 h3.05
  text ".LAYER_NAME" at 222.617,103.568 h3.05
  text "'.Artikel_Stamm''.Typ_PB''.Variante_PB'.'.a5_Rev_PB'" at 12,2 h3
  text "'.ProjectTitle'" at 42.75,2 h3
Bottom Layer:
  text ".GBL" at 250.811,93.027 h3.05
  text ".LAYER_NAME" at 222.617,92.9 h3.05

## Silkscreen, mask and mechanical layers (free items; w line width, h text height)
Top Silkscreen:
  text "Gate Top" at 109.75,133.25 h1.52 r90
  text "PWM / Top" at 25.5,132 h1.52
  text "DC+" at 155,128 h1.52 r90
  text "GNDS_Top" at 77.5,124.75 h1.52
  text "RST Top" at 22.25,118 h1.52
  text "RDY Top" at 37,114.75 h1.52
  text "Phase" at 155,114.75 h1.52 r90
  text "FLT Top" at 37,111.25 h1.52
  text "Gate Bot" at 109.25,110.75 h1.52 r90
  text "-T" at 127,106.25 h1.52
  text "PWM / Bot" at 25.25,105.25 h1.52
  text "RDY Bot" at 37,104 h1.52
  text "DC-" at 155,103.75 h1.52 r90
  text "+T" at 127,102.75 h1.52
  text "FLT Bot" at 37,100.75 h1.52
  text "GNDS_Bot" at 79.75,95.25 h1.52
  text "RST / Bot" at 22.25,91.5 h1.52
  text ".GTO" at 250.811,82.359 h3
  text ".LAYER_NAME" at 222.617,82.232 h3
  text "5VP" at 26.75,76.5 h1.52 r90
  text "-8VS" at 154.75,73.75 h1.52 r90
  text "-8VS" at 99,69.5 h1.52
  text "15VP" at 26.75,65.5 h1.52 r90
  text "+15VS" at 99,63.25 h1.52
  text "+15VS" at 154.75,62.25 h1.52 r90
  text "GNDS" at 100.5,57.5 h1.52
  text "GNDP" at 26.75,54.5 h1.52 r90
  text "GNDS" at 154.75,52.5 h1.52 r90
  text "HV+" at 26.5,40.5 h1.52 r90
  text "15VS" at 155.25,40.5 h1.52 r90
  text "GNDS_P" at 155,13.5 h1.52 r90
  text "HV-" at 26.75,9.25 h1.52 r90
Bottom Silkscreen:
  text ".GBO" at 250.811,78.803 h3.05
  text ".LAYER_NAME" at 222.617,78.676 h3.05
Top Solder Mask:
  drawing of 1613 lines, arcs and shapes, not listed
  text ".GTS" at 250.811,64.435 h3.05
  text ".Layer_Name" at 222.617,64.308 h3.05
Bottom Solder Mask:
  text ".GBS" at 250.811,60.879 h3.05
  text ".LAYER_NAME" at 222.617,60.752 h3.05
Mechanical:
  lines w0.254: 0,0 0,150 180,150 180,0 0,0 ; 100.75,23.75 ccw(c101.25,23.75) 101.75,23.75 101.75,30.25 ccw(c101.25,30.25) 100.75,30.25 100.75,23.75
  text ".GM1" at 250.811,24.435 h3.05
  text ".Layer_Name" at 222.617,24.308 h3.05
Silk Top:
  text ".GM2" at 250.811,20.879 h3.05
  text ".LAYER_NAME" at 222.617,20.752 h3.05
Silk Bot:
  text ".GM3" at 250.911,17.579 h3.05
  text ".Layer_Name" at 222.717,17.452 h3.05
Sheet:
  drawing of 5087 lines, arcs and shapes, not listed
  text "Layer Stack:" at 219.95,108.14 h3.05
  text "Overlayer:" at 219.95,86.804 h3.05
  text "Solder Mask" at 219.95,68.88 h3.05
  text "Mechanical:" at 219.95,28.88 h3.05
  text "Hole Count:" at 220.077,9.736 h3.05
  text ".Hole_Count" at 245.985,9.736 h3.05
  text "Slot Hole Count:" at 220.077,3.64 h3.05
  text ".SlotHole_Count" at 245.985,3.64 h3.05
  text "Square Hole Count:" at 220.204,-2.297 h3.05
  text ".SquareHole_Count" at 246.112,-2.297 h3.05
  text "TITLE:" at 147.155,-9.614 h1.14
  text "drivetek ag" at 211.798,-11.392 h2.54
  text ".ProjectTitle" at 153.8,-12.9 h4.57
  text "industriestrasse 37" at 211.798,-13.932 h2.54
  text "Number:" at 147.155,-15.71 h1.14
  text "2555 brügg" at 211.798,-16.472 h2.54
  text ".Print_Scale" at 193.002,-16.98 h2.54
  text "'.Artikel_Stamm''.Typ_PB''.Variante_PB'.'.a5_Rev_PB'" at 153.8,-17 h2.54
  text "ENGINEER:" at 147.155,-18.758 h1.14
  text "DATE:" at 193.002,-19.012 h1.14
  text "switzerland" at 211.798,-19.012 h2.54
  text "LME" at 153.8,-20 h2.54
  text ".Print_Date" at 197.957,-20.182 h2.54
  text "FILE:" at 147.155,-21.806 h1.14
  text ".Pcb_File_Name_No_Path" at 153.8,-23.6 h2.54
Drill Drawing:
  circle w0.254: c221.686,119.311 r0.556
  lines w0.254: 221.13,117.365 222.242,117.365 221.686,116.253 221.13,117.365 ; 221.13,121.535 221.408,121.535 221.408,121.257 221.964,121.257 221.964,121.535 222.242,121.535 222.242,122.091 221.964,122.091 221.964,122.369 221.408,122.369 221.408,122.091 221.13,122.091 221.13,121.535 ; 221.13,123.759 222.242,123.759 222.242,124.871 221.13,124.871 221.13,123.759 ; 221.13,126.261 221.13,126.539 221.408,126.817 221.13,127.095 221.13,127.373 221.408,127.373 221.686,127.095 221.964,127.373 222.242,127.373 222.242,127.095 221.964,126.817 222.242,126.539 222.242,126.261 221.964,126.261 221.686,126.539 221.408,126.261 221.13,126.261 ; 221.13,129.041 221.408,129.041 221.686,128.763 221.964,129.041 222.242,129.041 221.964,129.319 222.242,129.597 221.964,129.597 221.686,129.875 221.408,129.597 221.13,129.597 221.408,129.319 221.13,129.041 ; 221.13,131.265 221.686,131.543 222.242,131.265 221.964,131.821 222.242,132.377 221.686,132.099 221.13,132.377 221.408,131.821 221.13,131.265
  lines w0.381: 220.106,115.503 265.021,115.503 ; 220.106,133.016 265.021,133.016 ; 227.417,113.001 227.417,135.518 ; 235.49,113.001 235.49,135.518 ; 249.901,113.001 249.901,135.518 ; 255.769,113.001 255.769,135.518 ; 220.106,113.001 265.021,113.001 265.021,135.518 220.106,135.518 220.106,113.001
  text "Symbol" at 221.607,133.767 h1.83
  text "Hit Count" at 228.168,133.767 h1.83
  text "Finished Hole Size" at 236.24,133.767 h1.83
  text "Plated" at 250.651,133.767 h1.83
  text "Hole Type" at 256.52,133.767 h1.83
  text "4" at 228.168,131.265 h1.52
  text "2.800mm (110.24mil)" at 236.24,131.265 h1.52
  text "NPTH" at 250.651,131.265 h1.52
  text "Round" at 256.52,131.265 h1.52
  text "4" at 228.168,128.763 h1.52
  text "3.200mm (125.98mil)" at 236.24,128.763 h1.52
  text "NPTH" at 250.651,128.763 h1.52
  text "Round" at 256.52,128.763 h1.52
  text "13" at 228.168,126.261 h1.52
  text "0.300mm (11.81mil)" at 236.24,126.261 h1.52
  text "PTH" at 250.651,126.261 h1.52
  text "Round" at 256.52,126.261 h1.52
  text "14" at 228.168,123.759 h1.52
  text "1.320mm (51.97mil)" at 236.24,123.759 h1.52
  text "PTH" at 250.651,123.759 h1.52
  text "Round" at 256.52,123.759 h1.52
  text "21" at 228.168,121.257 h1.52
  text "1.150mm (45.28mil)" at 236.24,121.257 h1.52
  text "PTH" at 250.651,121.257 h1.52
  text "Round" at 256.52,121.257 h1.52
  text "30" at 228.168,118.755 h1.52
  text "1.800mm (70.87mil)" at 236.24,118.755 h1.52
  text "PTH" at 250.651,118.755 h1.52
  text "Round" at 256.52,118.755 h1.52
  text "191" at 228.168,116.253 h1.52
  text "0.500mm (19.69mil)" at 236.24,116.253 h1.52
  text "PTH" at 250.651,116.253 h1.52
  text "Round" at 256.52,116.253 h1.52
  text "277 Total" at 228.168,113.751 h1.52

## Text inside footprints (layer, text, board x,y; h text height)
L201: Top Silkscreen "7" at 135.75,41.25 h1.52 r90; Top Silkscreen "1" at 117.95,22.95 h1.52 r90; Top Silkscreen "14" at 135.55,22.85 h1.52 r90